# Altium PCB PCB1.PcbDoc (part 2 of 2)
Units mm, origin at the board's own origin, x right, y up, seen from the top; angles counter-clockwise.
Board outline 96.19 x 58.19 mm, 4 copper layers (Top Layer, GND, VCC, Bottom Layer), stack 1.566 mm thick; 127 components, 73 nets, 545 pads, 386 vias.
Unrouted connection lines stored in the file: 2.
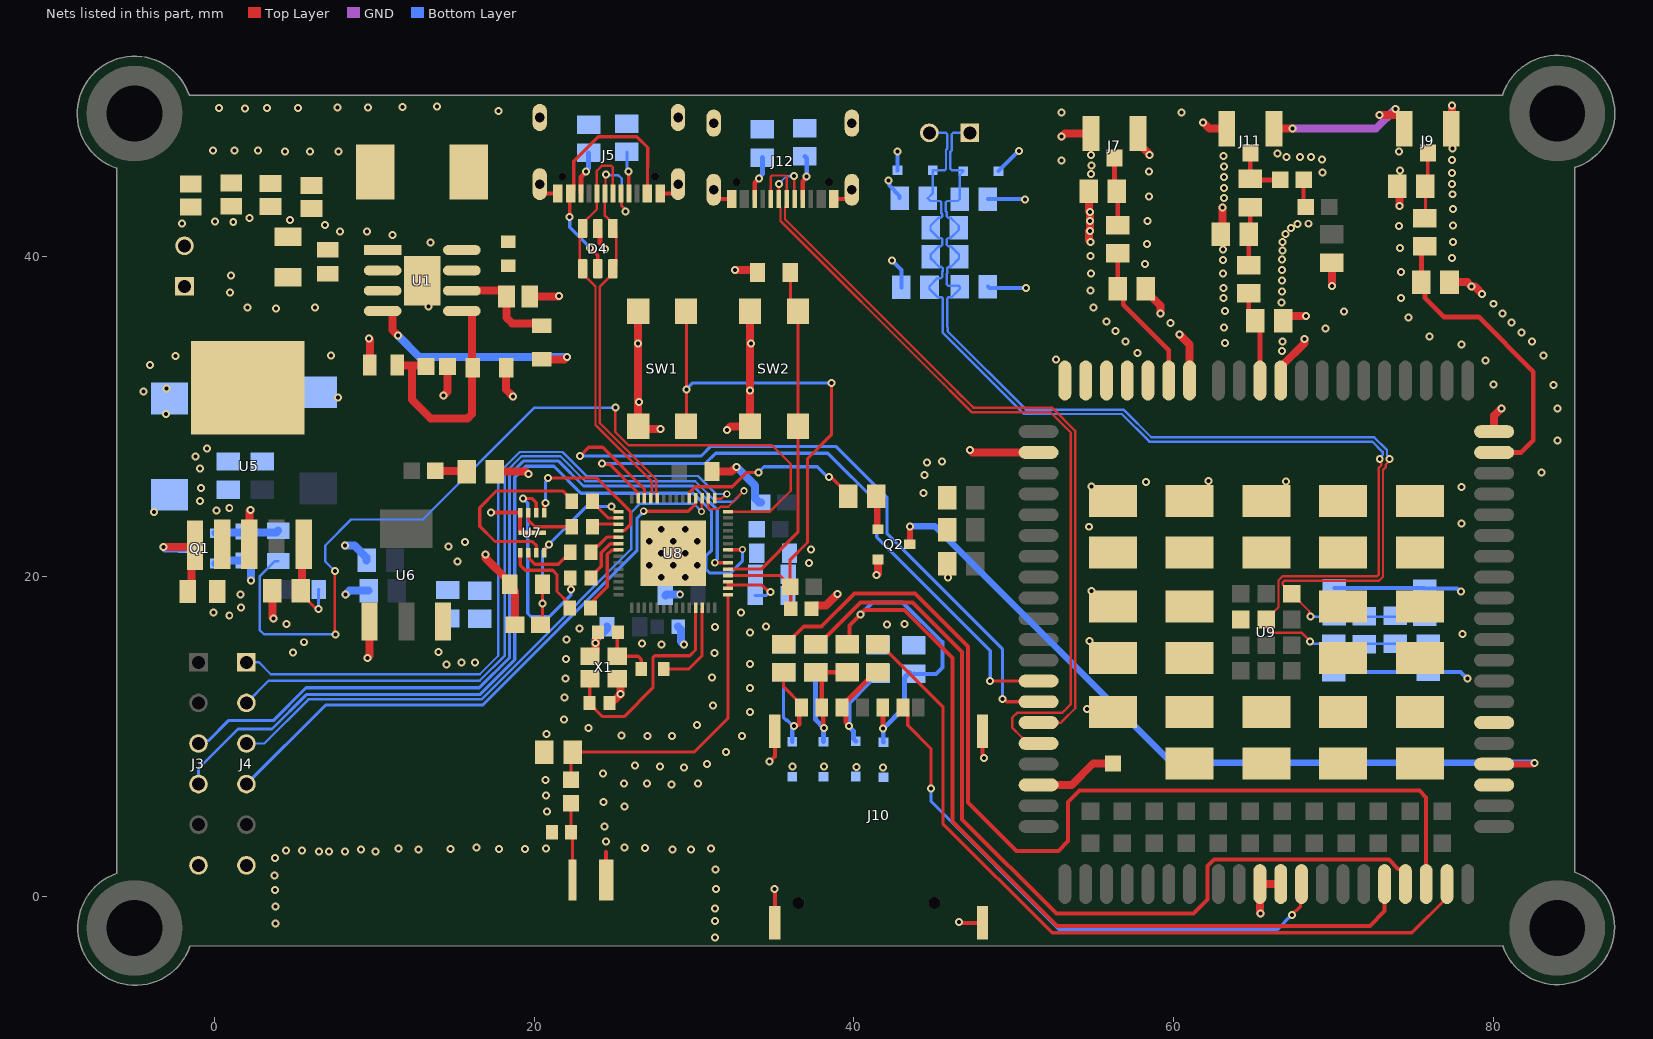
[diagram p4: the nets of this part, all layers, seen from the top]

## Via types
v1: diameter 0.5, hole 0.25, Top Layer to Bottom Layer, 379 vias
v2: diameter 0.45, hole 0.25, Top Layer to Bottom Layer, 7 vias

## Nets (pads, with @x,y where several pads share a name; then routed paths per layer and width w, separated by ;. In a path a pad name is that pad's centre, name@x,y a point inside that pad or via, vN(x,y) a via of type N, cw(c..) or ccw(c..) an arc to the next point about the centre after c; other vN are vias at no path point) (continued)
+5: C5.1 C6.1 C7.1 C8.1 C9.2 C10.2 C13.1 C14.1 C15.1 L1.2 R2.2 R6.2 U5.2 U6.3 | length 3.9
  Top Layer w0.5: v1(14.325,31.3) 14.575,31.55 C9.2@14.575,33.125 ; R2.2@18.25,33.05 18.25,31.675 v1(18.675,31.25)
  other v1: 14.5,14.497 15.45,14.6 16.3,14.6 14.025,15.275 0.925,17.55 -0.05,17.75 1.65,18.05 1.625,18.875 -3.775,24.025 0.125,24.125 0.925,24.275 -0.9,24.7 -0.85,25.525 4.4,46.575 5.975,46.575 7.75,46.575 1.25,46.625 2.725,46.625 -0.1,46.65
+24V: C3.1 C4.1 J1.1 U1.2 U1.3
  other v1: 3.85,36.75 2.075,36.825 6.3,36.825 0.975,37.75 1.025,38.825
BOOT: C26.2 SW2.3 SW2.4 U8.5 | length 21.8
  Top Layer w0.2: U8.5@32.125,20.45 34.2,20.45 36.5,22.75 SW2.4@36.5,29.375 SW2.3@36.5,36.575 36.025,37.05 C26.2@36.025,39
BT_ANT: C59.2 R29.1 U9.35 | length 19.2
  Top Layer w0.3: R29.1@75.7,40.645 75.5,40.445 C59.2@75.5,38.4 75.734,38.166 75.734,37.391 76.9,36.225 79.075,36.225 82.5,32.8 82.5,28.5 81.75,27.75 U9.35@80.05,27.75
GND: ANT1.2 C1.1 C3.2 C4.2 C5.2 C6.2 C7.2 C8.2 C10.1 C11.1 C12.2 C13.2 C14.2 C15.2 C16.2 C17.2 C18.1 C19.2 C20.2 C21.2 C22.2 C23.2 C24.2 C25.2 C26.1 C27.2 C28.2 C30.1 C31.2 C32.2 C33.1 C34.2 C42.1 C43.2 C44.1 C45.1 C46.1 C47.2 C48.2 C49.2 C50.2 C55.1 C56.1 C57.1 C58.1 C59.1 C60.2 C61.2 C62.1 C64.1 C65.2 C66.1 C67.1 C68.1 D4.2 D5.C D6.C D7.A D8.C D9.C D10.C J1.2 J3.6 J4.6 J5.A1_B12 J5.B1_A12 J5.S1 J5.S2 J5.S3 J5.S4 J7.2 J7.3 J9.2 J9.3 J10.G1 J10.G2 J10.G3 J10.G4 J11.2 J11.3 J12.A1_B12 J12.B1_A12 J12.S1 J12.S2 J12.S3 J12.S4 Q1.2 Q2.2 R3.1 R4.1 R14.1 R24.1 R25.1 R26.1 R36.1 R37.1 SW1.1 SW1.2 SW2.1 SW2.2 U1.1 U1.9 U5.3 U5.6 U6.1 U7.4 U7.9 U8.57 U8.58 U8.59 U8.60 U8.61 U8.62 U8.63 U8.64 U8.65 U8.66 U8.67 U8.68 U8.69 U9.8 U9.9 U9.19 U9.22 U9.36 U9.46 U9.48 U9.50 U9.51 U9.52 U9.53 U9.54 U9.56 U9.72 U9.76 U9.85 U9.86 U9.87 U9.88 U9.89 U9.90 U9.91 U9.92 U9.93 U9.94 U9.95 U9.96 U9.97 U9.98 U9.99 U9.100 U9.101 U9.102 U9.103 U9.104 U9.105 U9.106 U9.107 U9.108 U9.109 U9.110 U9.111 U9.112 X1.2 X1.4 | length 156.8
  Top Layer w0.25: v1(17.306,24) 17.318,23.987 19.112,23.987 U7.4@19.125,23.975 19.125,22.896 19.15,22.871 19.15,22.75 19.175,22.725 U7.9@19.875,22.725 ; J5.S2@20.35,44.53 20.35,44.25 20.65,43.95 J5.B1_A12@21.475,43.95 ; C28.2@21.05,3.95 C28.2@21.1,4 ; ANT1.2@24.5,1.025 ANT1.2@24.5,1 24.5,2.75 ; J5.A1_B12@27.875,43.95 28.7,43.95 29,44.25 J5.S1@29,44.53 ; J12.S2@31.225,44.18 31.225,43.9 31.525,43.6 J12.B1_A12@32.35,43.6 ; v1(34.723,8.405) 35.05,8.733 J10.G1@35.05,10.32 ; v1(35.036,0.433) 35.05,0.419 J10.G3@35.05,-1.68 ; J12.A1_B12@38.75,43.6 39.575,43.6 39.875,43.9 J12.S1@39.875,44.18 ; v1(46.582,-1.624) 46.638,-1.68 J10.G4@48.05,-1.68 ; J10.G2@48.05,10.32 48.05,8.725 v1(48.15,8.625)
  Top Layer w0.3: D4.2@23.975,41.755 24.12,41.61 24.12,40.834 24.425,40.529 v1(24.425,40.475)
  Top Layer w0.5: U5.3@2.18,22 2.18,24.08 v1(2.25,24.15) ; R14.1@3.625,19.1 3.625,17.425 v1(3.7,17.35) ; v1(9.575,14.875) 9.7,15 U6.1@9.7,17.174 ; v1(9.675,34.875) 9.725,34.825 R3.1@9.725,33.225 ; v1(16.95,21.375) 16.95,21.15 18.475,19.625 18.475,19.375 18.796,19.054 C31.2@18.796,16.975 ; R24.1@17.53,26.55 19.475,26.55 v1(19.632,26.393) ; C1.1@19.726,37.5 21.525,37.5 v1(21.55,37.525) ; X1.2@23.5,15 23.55,15 23.85,15.3 v1(23.85,15.825) 23.875,15.85 23.875,16.375 C21.2@24,16.5 ; C20.2@24.725,12.075 24.725,12.125 24.85,12.25 25.025,12.25 v1(25.4,12.625) 25.4,13.4 X1.4@25.2,13.6 ; v1@26.5,30.9 SW1.2@26.5,29.375 26.65,29.225 v1(27.9,29.225) ; SW1.1@26.5,36.575 26.5,30.95 v1(26.55,30.9) ; C34.2@31.125,26.55 32.35,26.55 v1(32.65,26.85) ; v1(32.05,29.15) 32.275,29.375 SW2.2@33.5,29.375 SW2.1@33.5,36.575 ; v1(32.575,39.15) 33.825,39.15 C26.1@33.975,39 ; C30.1@37.35,17.975 37.35,18 37.525,18.175 38.25,18.175 v1(38.975,18.9) ; v1(41.4,20.075) 41.5,20.175 Q2.2@41.5,21.05 ; v1(47.275,27.9) 47.425,27.75 U9.56@51.55,27.75 ; U9.72@51.55,6.95 53.625,6.95 54.975,8.3 U9.108@56.2,8.3 ; v1(53,47.5) 53.2,47.7 J7.2@54.825,47.7 ; v1@54.695,41.605 54.695,41.03 v1(54.8,40.925) ; C43.2@54.695,44.1 54.695,42.855 v1(54.775,42.775) 54.775,41.614 v1(54.785,41.605) ; J7.3@57.775,47.7 57.775,47.125 58.5,46.4 v1(58.5,46.35) ; C42.1@58.26,38 58.26,37.845 59.175,36.93 v1(59.175,36.45) ; v1(60.375,35.125) 61,34.5 U9.48@61,32.25 ; v1(61.85,48.4) 62.25,48 J11.2@63.325,48 ; C65.2@62.94,41.4 63.05,41.51 v1(63.05,43.075) ; v1(65.45,-1.1) 65.4,-1.05 U9.8@65.4,0.75 U9.9@66.7,0.75 ; J11.3@66.275,48 67.4,48 v1(67.425,48.025) ; U9.46@66.7,32.25 66.798,32.348 66.798,33.198 68.2,34.6 v1(68.2,34.85) ; C64.1@66.855,36 67.13,36.275 v1(68.275,36.275) ; v1(69.896,38.175) 69.9,38.178 C62.1@69.9,39.62 ; v1(72.875,48.85) 74.15,48.85 74.425,48.575 J9.2@74.425,48 ; C60.2@73.995,44.4 74.125,44.27 v1(74.125,43.175) ; C59.1@77.26,38.4 78.375,38.4 v1(78.65,38.125) 78.85,38.125 v1(79.3,37.675) ; J9.3@77.375,48 77.4,48.025 v1(77.4,49.45) ; U9.36@80.05,29.05 80.05,30.05 v1(80.5,30.5)
  GND w0.5: v1(67.425,48.025) 72.675,48.025 v1(73.875,49.225)
  Bottom Layer w0.25: v1(42.175,44.775) 42.223,44.727 42.223,44.447 42.865,43.805 C58.1@42.865,43.65 ; v1(42.375,39.75) 42.97,39.155 C57.1@42.97,38.075 ; v1(42.725,46.575) 42.726,46.574 42.726,45.4 D6.C@42.727,45.399 ; C50.2@48.38,43.6 50.675,43.6 v1(50.7,43.575) ; C47.2@48.385,38.125 48.469,38.041 v1(50.756,38.041) ; D5.C@49.048,45.351 50.303,46.606 v1(50.344,46.606) ; C55.1@70.025,14.015 70.03,14.02 C56.1@75.625,14.02 ; C49.2@70.05,19.26 75.675,19.26 C48.2@75.7,19.235 77.722,19.235 77.907,19.05 v1(77.975,19.05) ; C56.1@75.925,14.02 77.936,14.02 78.356,13.6 v1(78.4,13.6)
  Bottom Layer w0.5: Q1.2@0.08,20.8 0.13,20.8 0.33,21 2.025,21 2.275,20.75 v1(2.275,19.75) ; v1(8.175,21.925) 8.76,21.925 9.52,21.165 C12.2@9.52,21 ; v1(8.2,18.85) 8.45,19.1 C19.2@9.64,19.1 ; v1(23.85,15.825) 23.85,16.025 24.55,16.725 C27.2@24.55,16.85 ; C16.2@28.2,18.8 28.275,18.875 v2(29.125,18.875) ; C18.1@29,16.85 29.175,16.675 29.175,15.925 v1(29.375,15.725) ; v1(32.65,26.85) 33.821,25.679 33.821,24.881 34.077,24.625 C23.2@34.175,24.625
  other v1: 31.313,-2.608 3.825,-1.725 31.325,-1.575 31.3,-0.775 3.825,-0.65 3.8,0.375 31.375,0.45 3.763,1.292 31.35,1.65 3.788,2.367 7.175,2.775 6.538,2.792 8.175,2.8 10.075,2.8 4.488,2.842 5.488,2.842 9.175,2.9 12.775,2.925 28.65,2.925 29.825,2.925 14.75,2.95 17.8,2.95 19.425,2.95 11.5,2.975 20.725,2.975 31.05,2.975 26.925,3 16.4,3.025 25.65,3.05 24.5,3.425 24.4,4.35 20.8,5.275 25.65,5.6 24.325,5.875 20.725,6.275 28.6,6.975 25.625,7.025 27.05,7.025 30.25,7.025 20.7,7.25 24.3,7.675 41.825,8.025 29.375,8.05 40.175,8.075 27.875,8.1 36.15,8.1 38.125,8.1 26.312,8.174 30.825,8.25 32,9 27.075,10 33,10 28.625,10.025 25.45,10.05 20.775,10.125 23.4,10.525 30.175,10.7 21.875,11.05 33.5,11.5 54.575,11.7 31.2,11.925 21.9,12.425 33.5,13 21.95,13.6 31.125,13.675 33.5,14.5 22,14.825 31.275,15.2 4.925,15.225 27.95,15.725 26.75,15.8 5.6,15.875 54.75,15.95 22.025,16.05 78.075,16.4 33.5,16.5 22.825,16.75 31.3,16.825 34.5,16.875 42.075,16.975 4.5,17.025 43.175,17.025 32.95,17.725 54.875,19.075 45.9,19.925 37.2,20.825 15.2,20.925 37.325,21.675 14.625,21.875 15.675,22.15 54.7,23.1 78.025,23.3 44.35,25.225 78.025,25.575 54.875,25.625 58.275,25.9 67.025,25.925 62.175,25.95 44.425,26.325 83,26.5 -0.9,26.75 44.575,27.125 45.5,27.175 -1.175,27.5 -0.475,28 84,28.5 -3.025,30.15 84,30.5 7.725,31.2 -4.45,31.55 33.5,31.625 -3,31.75 83.75,31.975 80,32 -4.025,33.225 79.5,33.5 52.65,33.575 -2.45,33.775 83.125,33.8 7.3,33.825 57.75,33.975 66.785,34.105 78,34.5 26.5,34.575 33.575,34.575 63.21,34.58 66.81,34.68 82.425,34.675 57,34.7 76,35 81.775,35.25 56.375,35.35 69.5,35.5 63.16,35.58 59.8,35.85 81.15,35.875 55.8,35.95 74.703,36.203 80.56,36.43 70.65,36.575 63.21,36.605 55,36.825 13.4,36.875 80,37.05 66.76,37.13 63.135,37.405 74.225,37.425 66.785,37.83 54.8,37.875 63.11,38.03 66.785,38.505 54.825,38.95 63.1,38.95 74.225,39.025 66.785,39.155 58.225,39.525 63.085,39.78 66.789,39.827 77.4,39.9 54.8,40.025 66.81,40.38 63.085,40.43 74.15,40.525 58.325,40.8 13.5,40.875 66.81,40.905 77.475,40.925 11.125,41.35 66.985,41.405 7.85,41.575 9.55,41.575 67.335,41.78 74.1,41.9 77.475,41.95 6.9,41.975 67.76,42.03 -2.025,42.075 68.435,42.055 1.175,42.15 0.025,42.2 58.375,42.225 54.785,42.23 4.725,42.275 2.2,42.4 77.475,42.975 63.16,43.655 58.45,43.75 77.45,43.9 63.16,44.305 77.425,44.55 63.16,44.98 54.835,45.155 77.41,45.23 69.31,45.255 58.45,45.325 74.15,45.4 63.16,45.63 54.86,45.705 53,46 77.425,46.05 69.275,46.075 67.075,46.225 67.91,46.23 68.61,46.23 63.125,46.3 54.835,46.355 66.51,46.455 74.1,46.575 77.45,46.75 53,49 60.5,49 17.775,49.1 1.9,49.275 0.275,49.3 3.275,49.3 5.225,49.3 7.7,49.325 9.6,49.325 11.775,49.35 13.925,49.375
GNSS_ANT: C64.2 R35.1 U9.47 | length 5.7
  Top Layer w0.3: R35.1@64.7,37.7 64.7,36.395 65.4,35.695 U9.47@65.4,32.25
GPIO11: J4.1 U8.15 | length 44.8
  Top Layer w0.149: U8.15@31.3,24.875 31.307,24.875 31.336,24.847 31.719,24.847 32.023,25.15 v2(32.05,25.15)
  Bottom Layer w0.149: J4.1@2,14.62 2.78,14.62 3.525,13.875 16.6,13.875 17.75,15.025 17.75,26.425 19.1,27.775 21.775,27.775 23.275,26.275 30.25,26.275 31.375,25.15 v2(32.05,25.15)
GPIO12: J4.2 U8.16 | length 49
  Top Layer w0.149: U8.16@30.9,24.875 30.9,24.294 30.987,24.207 31.507,24.207 31.656,24.356 32.138,24.356 v2(33.131,25.348)
  Bottom Layer w0.149: J4.2@2,12.08 3.395,13.475 16.6,13.475 18.169,15.044 18.169,26.464 19.211,27.506 21.644,27.506 23.2,25.95 30.073,25.95 31.37,24.654 32.436,24.654 v2(33.131,25.348)
GPIO13: J4.3 U8.17 | length 37.1
  Top Layer w0.149: v2(30.475,24.05) 30.475,24.85 U8.17@30.5,24.875
  Bottom Layer w0.149: J4.3@2,9.54 3.115,9.54 5.875,12.3 16.71,12.3 22.799,18.389 22.799,18.427 26.075,21.704 26.075,23.993 26.626,24.544 29.981,24.544 v2(30.475,24.05)
GPIO14: J4.4 U8.18 | length 36.9
  Top Layer w0.2: v2(26.85,24.075) 29.646,24.075 30.09,24.519 30.09,24.865 U8.18@30.1,24.875
  Bottom Layer w0.2: J4.4@2,7 6.95,11.95 16.777,11.95 26.425,21.598 26.425,23.616 26.85,24.041 v2(26.85,24.075)
MAIN_ANT: C42.2 R27.1 U9.49 | length 9.3
  Top Layer w0.3: R27.1@56.5,40.2 C42.2@56.5,38 56.851,37.649 56.851,36.999 59.7,34.15 U9.49@59.7,32.25
MIC_N: C51.1 C52.1 C53.1 C54.1 C55.2 C56.2 C57.2 C58.2 D6.A J8.2 U9.77 | length 76.4
  Top Layer w0.149: v1(68.525,15.925) 68.525,15.95 68,16.475 66.05,16.475 66.05,17.05 U9.77@65.8,17.3 66.564,18.064 66.564,19.752 66.812,20.001 67.484,20.001 72.738,20.001 72.825,20.088 72.825,26.772 72.996,26.943 72.996,27.066 72.963,27.1 72.963,27.262 v1(72.896,27.329)
  Bottom Layer w0.149: J8.2@44.718,47.744 45.763,47.744 45.851,47.656 45.851,46.755 45.76,46.664 45.76,45.486 45.672,45.399 D6.A@44.927,45.399 44.927,43.952 C58.2@44.625,43.65 44.795,43.48 45.387,43.48 45.474,43.393 45.474,42.711 45.537,42.648 45.537,42.522 45.45,42.435 45.301,42.435 44.795,41.929 C54.1@44.795,41.8 44.795,41.671 45.301,41.165 45.45,41.165 45.537,41.078 45.537,40.742 45.45,40.655 45.321,40.655 44.815,40.149 C53.1@44.815,40 44.815,39.871 45.321,39.365 45.47,39.365 45.557,39.278 45.557,39.078 45.529,39.05 45.529,38.74 45.442,38.652 45.236,38.652 C57.2@44.73,38.147 ; C57.2@44.73,38.075 44.73,37.97 45.236,37.464 45.477,37.464 45.565,37.377 45.565,35.235 45.675,35.125 50.645,30.155 56.755,30.155 58.485,28.425 72.429,28.425 73.072,27.781 73.072,27.588 72.896,27.411 v1(72.896,27.329) ; v1(68.525,15.925) 68.675,15.775 C55.2@70.025,15.775 70.03,15.78 C56.2@75.925,15.78
MIC_P: C47.1 C48.1 C49.1 C50.1 C51.2 C52.2 C53.2 C54.2 D5.A J8.1 U9.75 | length 73.1
  Top Layer w0.149: v1(68.55,17.475) 68.483,17.542 68.483,17.817 U9.75@67.4,18.9 66.839,19.461 66.839,19.638 66.927,19.725 67.37,19.725 72.852,19.725 73.101,19.974 73.101,26.658 73.272,26.829 73.272,26.989 73.52,27.236 v1(73.52,27.325)
  Bottom Layer w0.149: J8.1@47.258,47.743 46.214,47.744 46.126,47.656 46.126,46.64 46.035,46.549 46.035,45.486 46.123,45.399 46.8,45.399 D5.A@46.848,45.351 46.62,45.123 C50.1@46.62,43.6 46.5,43.48 45.837,43.48 45.75,43.393 45.75,42.825 45.813,42.762 45.813,42.522 45.9,42.435 46.049,42.435 46.555,41.929 C54.2@46.555,41.8 46.555,41.671 46.049,41.165 45.9,41.165 45.813,41.078 45.813,40.742 45.92,40.635 46.069,40.635 46.575,40.129 C53.2@46.575,40 46.575,39.871 46.069,39.365 45.92,39.365 45.833,39.278 45.833,38.963 45.805,38.936 45.805,38.262 45.892,38.175 46.575,38.175 C47.1@46.625,38.125 46.625,37.97 46.119,37.464 45.928,37.464 45.84,37.377 45.84,35.596 45.87,35.566 45.87,35.32 50.759,30.431 56.869,30.431 56.95,30.35 58.599,28.701 72.543,28.701 73.348,27.896 73.348,27.588 73.52,27.416 v1(73.52,27.325) ; v1(68.55,17.475) 70.025,17.475 C49.1@70.05,17.5 70.075,17.475 C48.1@75.7,17.475
NetANT1_1: ANT1.1 C28.1 L3.1 | length 4.8
  Top Layer w0.2: L3.1@22.3,5.8 C28.1@22.3,4 22.4,3.9 ANT1.1@22.4,1
NetC1_2: C1.2 R1.2 U1.6 | length 6.7
  Top Layer w0.5: U1.6@15.477,37.865 17.997,37.865 18.274,37.588 C1.2@18.274,37.5 18.274,36.176 18.625,35.825 20.325,35.825 R1.2@20.475,35.675
NetC2_1: C2.1 U1.7
NetC2_2: C2.2 L1.1 U1.8
NetC9_1: C9.1 R2.1 R3.2 U1.5 | length 15.2
  Top Layer w0.5: R3.2@11.425,33.225 11.475,33.175 12.35,33.175 ; C9.1@13.225,33.125 13.175,33.175 12.35,33.175 ; U1.5@15.477,36.595 16.044,36.595 16.1,36.539 R2.1@16.1,33.275 ; R2.1@16.15,33.05 16.125,33.025 16.125,30.168 15.832,29.875 13.525,29.875 12.35,31.05 12.35,33.175
NetC20_1: C20.1 U8.53 X1.3 | length 14
  Top Layer w0.2: X1.3@23.5,13.6 23.475,13.575 C20.1@23.475,12.075 23.475,12.025 24.275,11.225 25.625,11.225 27.425,13.025 27.425,14.9 27.55,15.025 29.725,15.025 30.09,15.39 30.09,18.015 U8.53@30.1,18.025
NetC21_1: C21.1 R8.2 X1.1 | length 3.7
  Top Layer w0.2: C21.1@25.25,16.5 25.2,16.45 X1.1@25.2,15 26.5,15 26.7,14.8 R8.2@26.7,14.2
NetC22_1: C22.1 C24.1 C25.1 L2.2 U8.2 U8.3 | length 4.2
  Top Layer w0.2: U8.2@32.125,19.25 32.125,19.45 ; U8.3@32.125,19.65 32.125,19.45 ; v1@34.675,19.025 34.25,19.45 32.125,19.45
  Bottom Layer w0.2: C22.1@33.825,18.8 34.519,18.8 34.744,19.025 v1(34.775,19.025)
NetC33_2: C33.2 L3.2 U8.1 | length 20.1
  Top Layer w0.2: L3.2@22.3,7.27 22.3,8.9 C33.2@22.4,9 30,9 32.125,11.125 U8.1@32.125,18.85
NetC43_1: C43.1 J7.1 R27.2 | length 4.3
  Top Layer w0.3: J7.1@56.3,46.175 56.3,44.255 C43.1@56.455,44.1 56.5,44.055 R27.2@56.5,41.96
NetC60_1: C60.1 J9.1 R29.2 | length 4.2
  Top Layer w0.2: R29.2@75.7,42.405 75.755,42.46 C60.1@75.755,44.4 75.9,44.545 J9.1@75.9,46.475
NetC63_1: C63.1 C65.1 R35.2 | length 3.7
  Top Layer w0.3: R35.2@64.7,39.46 C65.1@64.7,41.4 64.8,41.5 C63.1@64.8,43.1
NetC63_2: C63.2 J11.1 L5.1 | length 3.5
  Top Layer w0.3: J11.1@64.8,46.475 C63.2@64.8,44.86 64.86,44.8 L5.1@66.665,44.8
NetC66_2: C66.2 D10.A J10.C2 R31.2 | length 9.8
  Top Layer w0.3: v1(39.7,10.65) 39.7,10.654 39.51,10.844 39.51,11.55 J10.C2@39.26,11.8 39.26,11.97 39.51,12.22 39.57,12.22 41.345,13.995 R31.2@41.5,13.995
  Bottom Layer w0.3: D10.A@40.124,9.677 39.974,9.827 39.974,10.322 39.7,10.596 39.7,12.095 40.94,13.335 40.94,13.49 41.37,13.92 C66.2@41.525,13.92
NetC67_2: C67.2 D9.A J10.C3 R32.2 | length 8.6
  Top Layer w0.2: R32.2@35.6,14 35.6,13.09 36.72,11.97 J10.C3@36.72,11.8
  Top Layer w0.3: 36.539,10.724 36.577,10.762 36.577,11.657 J10.C3@36.72,11.8
  Bottom Layer w0.2: C67.2@35.6,14 35.6,11.15 35.76,10.99 35.829,10.99 36.169,10.65 v1(36.25,10.65)
  Bottom Layer w0.3: D9.A@36.149,9.652 36.149,10.495 36.25,10.596 v1(36.25,10.65)
NetC68_2: C68.2 D8.A J10.C7 R33.1 R34.2 | length 10.3
  Top Layer w0.3: v1(38.125,10.5) 38.087,10.538 38.087,11.703 J10.C7@37.99,11.8 37.99,13.61 R34.2@37.6,14 R33.1@39.6,14
  Bottom Layer w0.3: C68.2@37.6,14 37.6,11.025 v1(38.125,10.5) 38.099,10.474 D8.A@38.099,9.652
NetD4_5: D4.5 J5.A4_B9 J5.B4_A9 | length 16
  Top Layer w0.2: v1(22.223,42.47) 22.223,43.898 J5.B4_A9@22.275,43.95 22.475,44.15 22.475,45.975 24,47.5 26.425,47.5 27.1,46.825 27.1,45.625 27.095,45.62 27.095,43.97 J5.A4_B9@27.075,43.95 ; v1(23.5,40.55) 23.975,40.075 D4.5@23.975,39.245
  Bottom Layer w0.2: v1(22.223,42.47) 22.223,41.827 v1(23.5,40.55)
NetJ5_A5: J5.A5 R25.2 | length 2.6
  Top Layer w0.2: v1@25.9,45.275 25.912,45.263 25.912,43.962 J5.A5@25.925,43.95
  Bottom Layer w0.2: R25.2@25.8,46.545 25.8,45.501 25.9,45.401 v1(25.9,45.32)
NetJ5_B5: J5.B5 R26.2 | length 2.7
  Top Layer w0.3: J5.B5@22.925,43.95 22.925,44.97 23.25,45.295 v1(23.25,45.325)
  Bottom Layer w0.3: v1(23.25,45.325) 23.25,45.379 23.4,45.529 R26.2@23.4,46.495
NetJ12_A5: J12.A5 R37.2 | length 2.8
  Top Layer w0.3: J12.A5@36.8,43.6 36.8,44.7 37.05,44.95 v1(37.05,45.004)
  Bottom Layer w0.3: R37.2@36.925,46.27 37.05,46.145 v1(37.05,45.004)
NetJ12_B5: J12.B5 R36.2 | length 2.8
  Top Layer w0.3: J12.B5@33.8,43.6 33.8,44.62 34.075,44.895 v1(34.075,44.9)
  Bottom Layer w0.3: v1(34.075,44.9) 34.075,44.954 34.275,45.154 R36.2@34.275,46.195
NetL5_2: L5.2 R30.2 | length 1.8
  Top Layer w0.25: L5.2@68.135,44.8 68.135,43.23 R30.2@68.265,43.1
NetLED3_1: LED3.1 R24.2 | length 2
  Top Layer w0.5: LED3.1@13.82,26.6 13.845,26.575 15.745,26.575 R24.2@15.77,26.55
NetQ1_1: Q1.1 R4.2 R5.1 | length 4
  Bottom Layer w0.5: Q1.1@0.08,22.7 0.13,22.75 3.879,22.75 R5.1@3.98,22.851
NetQ1_3: Q1.3 R6.1 U5.1 | length 6.4
  Top Layer w0.5: v1(-3.175,21.825) -1.345,21.825 U5.1@-1.22,21.95 -1.425,21.745 -1.425,19.3 R6.1@-1.675,19.05
  Bottom Layer w0.5: v1(-3.175,21.825) -3.1,21.75 Q1.3@-1.92,21.75
NetQ2_1: Q2.1 R28.2 | length 2.1
  Top Layer w0.4: R28.2@41.405,25 41.453,24.953 41.453,22.997 Q2.1@41.5,22.95
NetQ2_3: Q2.3 U9.20 | length 48.9
  Top Layer w0.4: Q2.3@43.5,22 43.512,22.012 43.512,23.112 v1(43.525,23.125) ; U9.20@80.05,8.25 82.506,8.25 v1(82.588,8.332)
  Bottom Layer w0.4: v1(43.525,23.125) 45.075,23.125 59.868,8.332 v1(82.588,8.332)
NetR1_1: R1.1 U1.4 | length 15
  Top Layer w0.5: U1.4@10.523,36.595 11.083,36.595 11.139,36.539 11.139,35.393 v1(11.476,35.056) ; R1.1@20.475,33.575 21.9,33.575 v1(22.05,33.725)
  Bottom Layer w0.5: v1(11.476,35.056) 12.807,33.725 v1(22.05,33.725)
NetR5_2: R5.2 U8.14 | length 56.8
  Top Layer w0.149: v1(7.525,20.325) 7.525,16.425 v1(7.575,16.375) ; v1(25.075,30.55) 25.075,29.025 25.9,28.2 34.875,28.2 36.05,27.025 36.05,25.35 34.75,24.05 U8.14@32.125,24.05
  Bottom Layer w0.149: R5.2@3.98,20.949 3.779,20.949 2.825,19.995 2.825,16.65 3.1,16.375 v1(7.575,16.375) ; v1(7.525,20.325) 6.925,20.925 6.925,21.925 8.55,23.55 13.025,23.55 20.025,30.55 v1(25.075,30.55)
NetR7_1: R7.1 R14.2 U5.5 | length 5.9
  Top Layer w0.2: R14.2@5.385,19.1 5.385,18.945 6.323,18.007 6.443,18.007 v1(6.5,17.95)
  Top Layer w0.5: R14.2@5.385,19.1 5.482,19.197 5.482,21.903 U5.5@5.58,22
  Bottom Layer w0.2: v1(6.5,17.95) 6.5,19.15 R7.1@6.525,19.175
NetR8_1: R8.1 U8.54 | length 5.7
  Top Layer w0.2: R8.1@28.1,14.2 29.675,14.2 30.5,15.025 U8.54@30.5,18.025
NetR9_1: R9.1 U8.35 | length 4.4
  Top Layer w0.2: R9.1@23.5,18.2 23.5,18.275 24.575,19.35 24.575,21.375 24.84,21.64 25.265,21.64 U8.35@25.275,21.65
NetR10_1: R10.1 U8.34 | length 3.2
  Top Layer w0.2: R10.1@23.55,19.9 23.55,19.975 24.2,20.625 24.2,21.475 24.765,22.04 25.265,22.04 U8.34@25.275,22.05
NetR11_1: R11.1 U8.33 | length 2.1
  Top Layer w0.2: R11.1@23.6,21.5 23.6,21.575 23.9,21.875 23.975,21.875 24.55,22.45 U8.33@25.275,22.45
NetR12_1: R12.1 U8.31 | length 1.7
  Top Layer w0.2: R12.1@23.65,23.1 23.814,23.264 25.046,23.264 25.06,23.25 U8.31@25.275,23.25
NetR13_1: R13.1 U8.30 | length 2.1
  Top Layer w0.2: R13.1@23.65,24.7 23.65,24.625 24.15,24.125 24.625,23.65 U8.30@25.275,23.65
NetR28_1: R28.1 U8.19 | length 11.8
  Top Layer w0.2: U8.19@29.7,24.875 29.71,24.885 29.71,25.231 30.079,25.6 32.4,25.6 33.3,26.5 v1(34.025,26.5) ; v1(38.45,26.2) 38.507,26.143 38.657,26.143 39.645,25.155 R28.1@39.645,25
  Bottom Layer w0.2: v1(34.025,26.5) 34.375,26.85 37.719,26.85 38.369,26.2 v1(38.45,26.2)
NetU8_26: U8.26 U9.68 | length 44.6
  Top Layer w0.2: v1(22.875,27.525) 23.418,28.068 24.282,28.068 26.9,25.45 U8.26@26.9,24.875 ; v1(49.3,12.325) 49.381,12.325 49.556,12.15 U9.68@51.55,12.15
  Bottom Layer w0.2: v1(22.875,27.525) 30.441,27.525 31.041,28.125 38.875,28.125 42.075,24.925 42.075,22.65 49.3,15.425 v1(49.3,12.325)
NetU8_27: U8.27 U9.67 | length 39.2
  Top Layer w0.2: v1(24.25,27.055) 24.307,26.998 24.724,26.998 26.43,25.291 26.43,25.22 26.49,25.16 26.49,24.885 U8.27@26.5,24.875 ; v1(48.525,13.45) U9.67@51.55,13.45
  Bottom Layer w0.2: v1(24.25,27.055) 30.705,27.055 31.35,27.7 38.375,27.7 41.425,24.65 41.425,22.45 48.525,15.35 v1(48.525,13.45)
RESET_ESP: C30.2 R18.1 SW1.3 SW1.4 U8.4 | length 35.7
  Top Layer w0.2: SW1.4@29.5,29.375 29.525,29.4 v1(29.525,31.7) 29.525,36.55 SW1.3@29.5,36.575 ; U8.4@32.125,20.05 35.375,20.05 35.595,19.83 35.595,19.76 35.68,19.675 R18.1@36,19.675 ; R18.1@36.015,19.325 36.05,19.29 C30.2@36.05,17.975 ; R18.1@36.015,19.35 36.015,19.66 R18.1@36,19.675 ; v1(38.596,32.097) 38.596,28.846 37.1,27.35 37.1,22.115 36,21.015 R18.1@36,19.675
  Bottom Layer w0.2: v1(29.525,31.7) 29.922,32.097 v1(38.596,32.097)
RX_0: J3.4 U8.8 | length 56.8
  Top Layer w0.2: U8.8@32.125,21.65 32.135,21.66 33.01,21.66 v2(33.025,21.675)
  Bottom Layer w0.2: J3.4@-1,7 -1,7.975 1.472,10.447 3.599,10.447 5.752,12.6 16.594,12.6 18.783,14.789 18.783,26.209 19.462,26.887 21.238,26.887 22.925,25.2 29.954,25.2 31.1,24.054 31.1,21.625 30.75,21.275 30.75,20.45 31,20.2 32.275,20.2 33.025,20.95 v2(33.025,21.675)
SIM_CLK: R32.1 U9.16 | length 62.5
  Top Layer w0.25: R32.1@35.6,15.76 35.755,15.76 36.87,16.875 37.975,16.875 40.025,18.925 43.825,18.925 47.145,15.605 47.145,5.855 50.175,2.825 52.8,2.825 53.408,3.433 53.408,5.883 54.125,6.6 75.375,6.6 75.8,6.175 U9.16@75.8,0.75
SIM_GND: J10.C5 U9.10 | length 35.1
  Top Layer w0.2: J10.C5@43.07,11.8 43.37,11.5 43.37,10.68 44.825,9.225 v1(44.825,6.725) ; v1(67.4,-1.175) 67.943,-0.632 67.943,0.693 U9.10@68,0.75
  Bottom Layer w0.2: v1(44.825,6.725) 44.825,5.925 52.85,-2.1 66.475,-2.1 v1(67.4,-1.175)
SIM_IO: R34.1 U9.15 | length 55.9
  Top Layer w0.25: R34.1@37.6,15.76 38.055,16.215 38.265,16.215 40.425,18.375 43.675,18.375 46.775,15.275 46.775,4.8 52.675,-1.1 61.252,-1.1 62.13,-0.222 62.13,1.878 62.522,2.27 73.478,2.27 74.052,1.696 74.269,1.696 74.5,1.465 U9.15@74.5,0.75
SIM_RST: R31.1 U9.17 | length 49.1
  Top Layer w0.2: R31.1@41.5,15.755 41.655,15.755 45.568,11.842 45.568,4.533 52.4,-2.3 74.9,-2.3 77.1,-0.1 U9.17@77.1,0.75
SIM_VCC: C61.1 D7.C J10.C1 R33.2 U9.14 | length 67.8
  Top Layer w0.25: R33.2@39.6,15.76 39.719,15.879 39.719,16.919 v1(40.4,17.6) 40.7,17.9 43.15,17.9 46.155,14.895 46.155,4.67 52.7,-1.875 72.275,-1.875 73.2,-0.95 U9.14@73.2,0.75
  Top Layer w0.3: J10.C1@41.8,11.8 41.812,11.787 41.812,10.487 v1(41.825,10.475)
  Bottom Layer w0.25: v1(40.4,17.6) 41.175,18.375 43.05,18.375 45.55,15.875 45.55,14.3 45.125,13.875 43.785,13.875 C61.1@43.75,13.91
  Bottom Layer w0.3: D7.C@41.851,9.623 41.838,9.636 41.838,10.462 v1(41.825,10.475) 43.165,11.815 43.165,13.65 C61.1@43.5,13.985
SPI_CLK: R11.2 U7.6 | length 3.5
  Top Layer w0.2: U7.6@19.625,21.475 19.675,21.425 19.675,21.123 20.048,20.75 21.5,20.75 21.875,21.125 21.95,21.125 22.25,21.425 R11.2@22.25,21.5
SPI_CS0: U7.1 U8.32 | length 10
  Top Layer w0.2: U7.1@20.625,23.975 20.625,24.5 v1(20.7,24.575) ; v1(20.875,26.15) 23.921,26.15 26.03,24.041 26.03,23.259 25.631,22.86 25.285,22.86 U8.32@25.275,22.85
  Bottom Layer w0.2: v1(20.7,24.575) 20.7,25.894 20.875,26.069 v1(20.875,26.15)
SPI_HD: R13.2 U7.7 | length 12.2
  Top Layer w0.2: U7.7@20.125,21.475 20.15,21.5 20.15,21.9 19.875,22.175 17.55,22.175 16.6,23.125 16.6,24.3 17.645,25.345 21.78,25.345 22.35,24.775 R13.2@22.35,24.7
SPI_WP: R12.2 U7.3 | length 3.4
  Top Layer w0.2: U7.3@19.625,23.975 19.637,23.963 19.637,23.513 20.05,23.1 R12.2@22.35,23.1
SPID: R9.2 U7.5 | length 5.5
  Top Layer w0.2: U7.5@19.125,21.475 19.125,20.7 19.452,20.373 21.151,20.373 21.425,20.099 21.425,19.05 22.2,18.275 R9.2@22.2,18.2
SPIQ: R10.2 U7.2 | length 13.3
  Top Layer w0.2: v1(19.3,24.875) 19.85,24.875 20.125,24.6 U7.2@20.125,23.975 ; R10.2@22.25,19.9 22.311,19.839 v1(22.311,19.164)
  Bottom Layer w0.2: v1(19.3,24.875) 19.6,24.575 19.6,17.675 19.8,17.475 20.95,17.475 22.286,18.811 22.286,19.14 v1(22.311,19.164)
TX_0: J3.3 U8.6 | length 51.9
  Top Layer w0.2: v2(31.3,20.85) U8.6@32.125,20.85
  Bottom Layer w0.2: J3.3@-1,9.54 -0.816,9.724 -0.376,9.724 0.875,10.975 3.675,10.975 5.725,13.025 16.566,13.025 18.463,14.922 18.463,26.342 19.329,27.207 21.526,27.207 23.084,25.65 29.957,25.65 31.45,24.157 31.45,21.068 31.3,20.918 v2(31.3,20.85)
USB_D_N: D4.1 D4.6 J5.A7 J5.B7 U8.24 | length 27
  Top Layer w0.149: v1(24.481,45.15) 24.462,45.132 24.462,43.987 J5.A7@24.425,43.95 24.425,42.565 24.925,42.065 D4.1@24.925,41.755 25.125,41.555 25.125,39.445 D4.6@24.925,39.245 24.925,38.935 24.113,38.123 24.113,29.577 27.638,26.052 27.638,25.213 27.664,25.186 27.664,24.911 U8.24@27.7,24.875 ; J5.B7@25.425,43.95 25.488,43.887 25.488,43.157 25.725,42.92 v1(25.725,42.825)
  Bottom Layer w0.149: v1(24.481,45.15) 24.548,45.083 25.267,45.083 25.475,44.875 25.475,43.17 25.725,42.92 v1(25.725,42.825)
USB_D_P: D4.3 D4.4 J5.A6 J5.B6 U8.25 | length 25.6
  Top Layer w0.149: J5.A6@24.925,43.95 24.925,45.588 24.838,45.675 24.225,45.675 23.925,45.375 J5.B6@23.925,43.95 23.925,42.965 23.025,42.065 D4.3@23.025,41.755 22.85,41.58 22.85,39.42 D4.4@23.025,39.245 23.025,38.935 23.837,38.123 23.837,29.463 27.362,25.938 27.362,25.213 27.336,25.186 27.336,24.911 U8.25@27.3,24.875
USB_GSM_N: J12.A7 J12.B7 U9.70 | length 52.3
  Top Layer w0.149: v1(35.3,44.55) J12.A7@35.3,43.6 35.3,43.18 35.412,43.068 35.412,42.223 45.624,32.011 46.292,31.342 47.361,30.274 52.286,30.274 53.575,28.985 53.575,26.95 53.575,12.003 53.511,11.939 53.311,11.739 53.047,11.475 50.225,11.475 49.9,11.15 49.9,10.532 50.499,9.933 50.499,9.927 50.876,9.55 U9.70@51.55,9.55 ; v1(36.244,45.05) 36.263,45.032 36.263,43.638 J12.B7@36.3,43.6
  Bottom Layer w0.149: v1(35.3,44.55) 35.771,45.021 36.216,45.021 v1(36.244,45.05)
USB_GSM_P: J12.A6 J12.B6 U9.69 | length 48.9
  Top Layer w0.149: J12.B6@34.8,43.6 34.8,44.988 34.887,45.075 35.713,45.075 35.8,44.988 J12.A6@35.8,43.6 35.8,43.18 35.688,43.068 35.688,42.337 45.9,32.125 46.187,31.838 46.475,31.55 46.488,31.537 47.2,30.825 47.475,30.55 47.75,30.55 52.4,30.55 53.851,29.099 53.851,26.95 53.851,26.8 53.851,15.675 53.851,14.975 53.851,12.375 53.851,12.325 53.851,11.751 53.05,10.95 52.936,10.836 51.676,10.836 51.62,10.78 U9.69@51.55,10.85
VDD_SPI: C31.1 C32.1 U7.8 U8.29 | length 12.6
  Top Layer w0.2: C31.1@20.4,16.975 20.525,17.1 v1(20.525,18.3) C32.1@20.525,19.5 ; U7.8@20.625,21.475 20.625,21.625 20.925,21.925 v1(20.925,22) ; v1(24.85,24.375) 24.907,24.318 24.907,24.203 25.06,24.05 U8.29@25.275,24.05
  Bottom Layer w0.2: v1(20.525,18.3) 20.525,21.6 v1(20.925,22) 23.3,24.375 v1(24.85,24.375)
pads on no net: J3.1 J3.2 J5. J5.A8 J5.B8 J10. J10.C6 J10.CD J12. J12.A4_B9 J12.A8 J12.B4_A9 J12.B8 MH1.1 MH2.1 MH3.1 MH4.1 U8.7 U8.9 U8.10 U8.11 U8.12 U8.13 U8.21 U8.22 U8.23 U8.28 U8.36 U8.37 U8.38 U8.39 U8.40 U8.41 U8.42 U8.43 U8.44 U8.45 U8.47 U8.48 U8.49 U8.50 U8.51 U8.52 U9.1 U9.2 U9.3 U9.4 U9.5 U9.6 U9.7 U9.11 U9.12 U9.13 U9.18 U9.21 U9.23 U9.24 U9.25 U9.26 U9.27 U9.28 U9.29 U9.30 U9.31 U9.32 U9.33 U9.34 U9.37 U9.38 U9.39 U9.40 U9.41 U9.42 U9.43 U9.44 U9.45 U9.55 U9.61 U9.62 U9.63 U9.64 U9.65 U9.66 U9.71 U9.73 U9.74 U9.78 U9.79 U9.80 U9.81 U9.82 U9.83 U9.84 U9.113 U9.114 U9.115 U9.116 U9.117 U9.118 U9.119 U9.120 U9.121 U9.122 U9.123 U9.124 U9.125 U9.126 U9.127 U9.128 U9.129 U9.130 U9.131 U9.132 U9.133 U9.134 U9.135 U9.136 U9.137 U9.138 U9.139 U9.140 U9.141 U9.142 U9.143 U9.144

## Polygon pours and split planes (outlines as drawn)
GND on Top Layer "gnd" (solid, pour order 48): 66.525,33.425 66.525,41.425 67.4,42.3 68.775,42.3 69.05,42.575 69.05,46 66.55,46 65.85,46.7 65.875,46.725 65.875,49.125 66.3,49.55 74.1,49.55 74.75,48.9 74.55,48.7 74.55,37.025 76.6,34.975 78.675,34.975 81.8,31.85 81.8,29.175 81.175,28.55 78.9,28.55 78.475,28.975 78.475,30.425 79.025,30.975 79.025,33.225 78.525,33.725 67.625,33.725 67.275,33.375 67.2,33.45 66.575,33.45
GND on Top Layer "gnd" (solid, pour order 47): 30.95,2.35 30.925,2.325 30.925,-2.875 31.125,-3.075 34.225,-3.075 34.325,-2.975 34.25,-2.9 34.25,2.35
GND on Top Layer "gnd" (solid, pour order 46): 9.487,5.704 9.466,5.725 4.025,5.725 3.2,4.9 3.2,-2.85 3.25,-2.9 4.075,-2.9 4.4,-2.575 4.4,2.15 4.625,2.375 9.3,2.375 9.75,2.825 9.75,5.425 9.45,5.725
GND on Top Layer "gnd" (solid, pour order 38): 9.5,2.375 20.925,2.375 21.1,2.55 21.1,10.425 22.9,10.425 23.7,9.625 29.5,9.625 31.725,11.85 31.7,11.875 31.7,17.35 31.075,17.35 30.825,17.1 30.825,12.05 29.225,10.45 24.3,10.45 23.675,11.075 22.925,11.075 22.925,11.1 22.425,11.6 22.475,11.65 22.475,15.825 23.275,16.625 23.275,17.2 23.05,17.425 23.025,17.4 22.275,17.4 21.45,16.575 21.45,11.85 21.1,11.5 19.775,11.5 18.325,10.05 18.325,5.975 18.075,5.725 9.45,5.725 7.3,3.575 7.3,2.375
GND on Top Layer "gnd" (solid, pour order 23): 72.225,25.85 72.2,25.825 72.2,20.85 65.625,20.85 65.075,20.3 65.075,14.15 66.275,12.95 68.275,12.95 68.65,13.325 68.65,18.75 69,19.1 72.9,19.1 73.65,19.85 73.65,25.975 74.575,26.9 77.625,26.9 78.725,25.8 78.725,12.625 79.775,11.575 81.325,11.575 81.525,11.375 81.5,11.35 81.5,6.65 81.175,6.325 77.85,6.325 77.85,7.05 77.225,7.675 77.2,7.65 54.6,7.65 53.75,8.5 53.75,25.55 54.675,26.475 71.725,26.475 72.375,25.825
GND on Top Layer "gnd" (solid, pour order 44): 26.575,15.475 29.55,15.475 29.75,15.675 29.75,16.1 29.45,16.4 26.475,16.4 26.25,16.175 26.25,15.525 26.325,15.45 26.6,15.45
GND on Top Layer "gnd" (solid, pour order 43): 77.125,49.85 77.125,39.1 83.325,32.9 83.325,28.075 80.875,25.625 84.6,25.625 84.675,25.7 84.675,36.05 80.425,40.3 80.425,49.425 79.875,49.975 79.75,49.85
GND on Top Layer "gnd" (solid, pour order 41): 57.825,49.725 57.825,37.2 60.5,34.525 60.5,33.425 63.525,33.425 63.525,49.35 63.15,49.725
GND on Top Layer "gnd" (solid, pour order 40): 51.375,49.05 51.875,49.55 55.175,49.55 55.175,37.275 58.25,34.2 58.35,34.2 57.65,33.5 57.55,33.6 54.275,33.6 51.4,36.475 51.4,48.95
GND on Top Layer "gnd" (solid, pour order 39): 26.025,2.35 23.025,2.35 23.025,7.875 23.6,8.45 30.5,8.45 32.925,10.875 32.925,17.3 32.525,17.7 32.525,18.45 33.675,18.45 34.775,17.35 34.775,16.325 34.25,15.8 34.25,2.35
GND on Top Layer "gnd" (solid, pour order 29): 5.525,29.325 5.65,29.45 5.65,34.6 -3.9,34.6 -5.125,33.375 -5.125,29.975 -4.475,29.325 5.85,29.325 5.85,31.5 5.6,31.75
GND on Top Layer "gnd" (solid, pour order 28): 46.6,20.05 46.575,20.075 46.575,26.95 45.95,27.575 45.9,27.525 44.375,27.525 43.975,27.125 43.975,23.95 44.85,23.075 44.85,19.925 45.225,19.55 46.55,19.55 46.625,19.625 46.625,20.175
GND on Top Layer "gnd" (solid, pour order 26): 1.5,21.175 1.5,24.175 2.025,24.7 2.75,24.7 3.075,24.375 3.025,24.325 3.025,20.475 3.425,20.075 4.5,20.075 4.5,17.7 6.425,15.775 6.425,14.775 3.575,14.775 2.675,15.675 2.675,18.25 1.525,19.4 1.525,21.075
GND on Top Layer "gnd" (solid, pour order 22): 58.825,30.925 58.9,31 58.9,33.675 58.875,33.675 58.35,34.2 52.1,34.2 51.325,33.425 51.325,31.25 51.725,30.85 58.675,30.85
+3V3 on Top Layer "gnd" (solid, pour order 13): 10.35,22.05 10.35,19.2 11.2,18.35 11.2,12.8 9.425,11.025 9.425,9.3 10.15,8.575 12.775,8.575 13.15,8.95 13.125,8.975 13.125,14.225 12.5,14.85 12.5,19.25 13.7,20.45 13.7,22.275 10.475,22.275 10.425,22.325
+3V8 on Top Layer "gnd" (solid, pour order 12): 46.975,20.075 46.975,26.1 48,27.125 50,27.125 50.375,26.75 52.375,26.75 52.375,22.45 52.15,22.225 50.5,22.225 49.425,21.15 49.425,20.275 49.05,19.9 47.05,19.9 47.05,19.975 47,20.025
+3V8 on Top Layer "gnd" (solid, pour order 10): 3.4,20.45 3.4,25.675 6.375,28.65 9.05,28.65 10.3,27.4 10.3,25.325 9.2,24.225 4.75,24.225 4.4,23.875 4.4,20.475 3.425,20.475
+5 on Top Layer "gnd" (solid, pour order 7): -0.325,19.975 -0.025,20.275 -0.025,24.725 0.375,25.125 1.175,25.125 1.4,24.9 1.4,23.975 1,23.575 1,20.225 1.925,19.3 1.925,17.775 1.375,17.225 -0.3,17.225 -0.3,18.275 -0.325,18.3
+5 on Top Layer "gnd" (solid, pour order 5): 13.5,15.15 13.5,18.5 14.25,19.25 16.65,19.25 17.5,18.4 17.5,14.925 16.3,13.725 13.875,13.725 13.5,14.1 13.525,14.125 13.525,15.175
NetC2_1 on Top Layer "gnd" (solid, pour order 4): 18.925,39.775 18.9,39.75 17.025,39.75 16.725,39.45 14.525,39.45 14.4,39.325 14.4,38.975 14.55,38.825 17.525,38.825 17.775,39.075 18.85,39.075 18.85,39.75
NetC2_2 on Top Layer "gnd" (solid, pour order 3): 14.625,40.3 14.625,43.5 14.725,43.6 14.725,47 17.475,47 18.825,45.65 18.8,45.625 18.8,41.975 19.5,41.275 19.5,40.575 19.05,40.125 14.8,40.125
GND on Top Layer "gnd" (solid, pour order 2): -2.325,43.5 6.475,43.5 7.975,42 11.925,42 12.9,42.975 12.9,47.6 12.25,48.25 -0.625,48.25 -0.8,48.425 -0.8,49.8 -0.525,50.075 18.675,50.075 19.2,49.55 19.2,47.65 19.175,47.65 18.8,47.275 18.775,47.3 14.5,47.3 14.15,46.95 14.15,36.6 14.025,36.475 12.05,36.475 12.05,36.5 11.875,36.675 11.875,39.7 11.85,39.7 11.6,39.95 5.925,39.95 5.6,40.275 -0.675,40.275 -1.125,39.825 -1.15,39.85 -3.55,39.85 -3.55,42.3 -2.325,43.525
+5 on Top Layer "gnd" (solid, pour order 1): -2.25,44.025 7.175,44.025 8.35,42.85 11.6,42.85 11.95,43.2 11.95,47.225 11.575,47.6 -0.5,47.6 -2.675,45.425 -2.675,44.05 -2.175,44.05 -2.15,44.025 -2.1,44.075 -2.05,44.075
+24V on Top Layer "gnd" (solid, pour order 0): 2.875,39.55 3.2,39.875 5.325,39.875 6.125,39.075 9.1,39.075 9.375,39.35 11.5,39.35 11.5,37.825 11.25,37.575 9.725,37.575 8.2,36.05 -3.025,36.05 -3.6,36.625 -3.6,39.35 -3.4,39.55
GND on Bottom Layer "gnd" (solid, pour order 27): 17.3,18.7 17.275,18.725 17.275,21.75 16.475,22.55 14.525,22.55 13.8,21.825 13.8,18.525 13.775,18.5 13.825,18.45 17.2,18.45 17.275,18.525 17.275,18.65
GND on Bottom Layer "gnd" (solid, pour order 25): 3.775,26.65 3.775,27.925 3.4,28.3 -1.05,28.3 -1.6,27.75 -1.6,26.75 -1.3,26.45 3.725,26.45 3.725,26.525 3.825,26.625
GND on Bottom Layer "gnd" (solid, pour order 24): 8.2,30.675 8.225,30.7 8.225,34.325 -4.2,34.325 -5.175,33.35 -5.175,29.75 7.725,29.75 8.2,30.225 8.2,30.475
GND on Bottom Layer "gnd" (solid, pour order 21): 40.325,47 40.225,47.1 19.625,47.1 19.625,49.35 20.275,50 40.3,50 41.325,48.975 41.275,48.925 41.275,47.25 40.15,47.25 40.05,47.15
GND on Bottom Layer "gnd" (solid, pour order 20): 36.6,18.15 36.575,18.125 35.25,18.125 35.25,21.925 35.525,22.2 37.625,22.2 37.875,21.95 37.85,21.925 37.85,20.75 37,19.9 37,18.275 36.85,18.125 36.825,18.15 36.525,18.15
GND on Bottom Layer "gnd" (solid, pour order 19): 34.4,15.1 34.1,15.4 34.1,16.825 34.45,17.175 39.525,17.175 39.85,16.85 41.375,16.85 42,17.475 43.45,17.475 45.15,15.775 45.15,15.05 44.55,15.05 44.5,15.1
GND on Bottom Layer "gnd" (solid, pour order 18): 35.725,7.125 42.3,7.125 42.3,8.25 42.25,8.3 35.95,8.3 35.675,8.025 35.675,7.175
+3V8 on Bottom Layer "gnd" (solid, pour order 11): 4.675,23.225 2.975,24.925 2.975,25.95 10,25.95 10.45,25.5 10.45,25.05 10.425,25.05 9.225,23.85 5.725,23.85 5.725,19.45 4.675,18.4
+3V3 on Bottom Layer "gnd" (solid, pour order 17): 10.725,18.325 10.725,21.625 10.95,21.85 12.225,21.85 12.225,21.2 12.675,20.75 12.675,18.75 12.1,18.175 10.75,18.175
+3V3 on Bottom Layer "gnd" (solid, pour order 15): 34.9,22.55 34.875,22.575 34.875,24.9 37.575,24.9 39.15,23.325 39.15,22.4 35.125,22.4 35.025,22.5 35,22.5
NetC22_1 on Bottom Layer "gnd" (solid, pour order 14): 33.4,18.55 33.475,18.625 33.475,23.225 33.725,23.225 34.6,22.35 34.6,18.7 33.5,18.7
+5 on Bottom Layer "gnd" (solid, pour order 8): 3.95,25.9 3.925,25.925 -3.975,25.925 -4.425,25.475 -4.425,23.8 -4.275,23.65 1.075,23.65 1.6,24.175 1.6,25.9
+5 on Bottom Layer "gnd" (solid, pour order 6): 17.275,17.875 17.45,17.7 17.45,15.175 16.35,14.075 14.3,14.075 13.55,14.825 13.55,17.65 13.775,17.875
+5 on VCC "gnd" (solid, pour order 33): -0.7,44.6 -0.7,47.125 -0.275,47.55 13.975,47.55 19.475,42.05 19.475,30.825 13.725,30.825 13.2,31.35 1.925,31.35 1.925,20.075 5.875,16.125 16.525,16.125 18.275,14.375 18.275,12.275 17.8,11.8 -2.875,11.8 -5.45,14.375 -5.45,34.5 -4.625,35.325 8.4,35.325 9.4,36.325 9.4,40.5 5.425,44.475 -0.625,44.475
+3V3 on VCC "gnd" (solid, pour order 36): 11.175,18.55 11.175,21.4 12.4,22.625 23.525,22.625 24.85,23.95 40.35,23.95 42.75,21.55 42.825,21.55 42.825,20.275 43.025,20.075 43.025,19.5 32.1,19.5 31.625,19.025 31.625,18.575 31.4,18.35 22.2,18.35 20.775,16.925 20.775,12.3 15.05,6.575 6.875,6.575 4.025,3.725 -2.1,3.725 -2.9,4.525 -2.9,5.525 -2.35,6.075 3.125,6.075 8.575,11.525 18,11.525 18.825,12.35 18.825,15.325 16.775,17.375 11.675,17.375 11.175,17.875 11.2,17.9 11.2,18.625
+3V8 on VCC "gnd" (solid, pour order 34): 3.375,27.3 6.4,30.325 20.3,30.325 23.95,33.975 42.325,33.975 48.2,28.1 52.1,28.1 52.1,20.7 50.425,19.025 46.4,19.025 40.625,24.8 24.4,24.8 22.8,23.2 8.35,23.2 6.1,20.95 3.375,20.95
+24V on VCC "gnd" (solid, pour order 32): -3.575,39.175 -3.575,39.275 -3.25,39.6 5.875,39.6 7.9,37.575 7.9,36.15 -3.175,36.15 -3.65,36.625 -3.65,39.1
GND on GND "gnd" (solid, pour order 45): 4.5,-2.625 4.5,2.35 30.925,2.35 30.925,-3.025 79.4,-3.025 80.25,-2.175 80.25,0.125 82.15,2.025 84.75,2.025 84.7,2.075 84.7,43.95 83.2,45.45 82.025,45.45 80.425,47.05 80.425,49.925 -0.775,49.925 -1.15,49.55 -1.15,47.4 -3.4,45.15 -5.725,45.15 -5.725,2.025 -5.65,1.95 -3.725,1.95 -1.3,-0.475 -1.3,-2.625

## Silkscreen, mask and mechanical layers (free items; w line width, h text height)
Top Overlay:
  text "MIC_N" at 44.92,49.853 h0.4 r180
  text "MIC_P" at 48.42,49.853 h0.4 r180
  text "GNSS ANT" at 67.425,48.812 h1
  text "BT ANT" at 79.3,46.25 h1 r90
  text "Main ANT" at 59.839,45.075 h1 r90
  text "GNSS" at 31.406,41.469 h0.5
  text "GND" at -4.22,41.445 h0.4 r270
  text "MCU" at 27.631,41.419 h0.5
  text "+24V" at -4.32,38.67 h0.4 r270
  text "BOOT" at 38.456,33.281 h0.5 r90
  text "RESET" at 24.796,32.775 h0.5 r90
  text "GPIO11" at 4.42,14.08 h0.4 r90
  text "GPIO12" at 4.42,11.08 h0.4 r90
  text "TX0" at -3.08,9.08 h0.4 r90
  text "GPIO13" at 4.42,8.58 h0.4 r90
  text "RX0" at -3.08,6.58 h0.4 r90
  text "GPIO14" at 4.42,5.58 h0.4 r90
  text "3V3" at -3.08,4.08 h0.4 r90
  text "3V3" at 4.42,3.58 h0.4 r90
  text "GND" at -2.805,1.405 h0.4 r90
  text "GND" at 4.42,1.08 h0.4 r90
  text "ESP-32 ANTENNA" at 6.975,-1.325 h3
Border:
  lines w0.2: -6.095,45.622 cw(c-4.988,48.942) -1.667,50.049 ; -6.049,1.333 ccw(c-4.942,-1.988) -1.622,-3.095 -1.527,-3 ; -6,1.333 -6,45.622 ; -4.167,50 78.18,50 ; -2.527,-3 79.667,-3 ; 80.667,-3.049 ccw(c83.988,-1.942) 85.095,1.378 ; 80.68,50.107 cw(c84,49) 85.107,45.68 ; 85,1.378 85,45.68